# Altium PCB Zotino.PCBDOC (part 1 of 8) (continued)
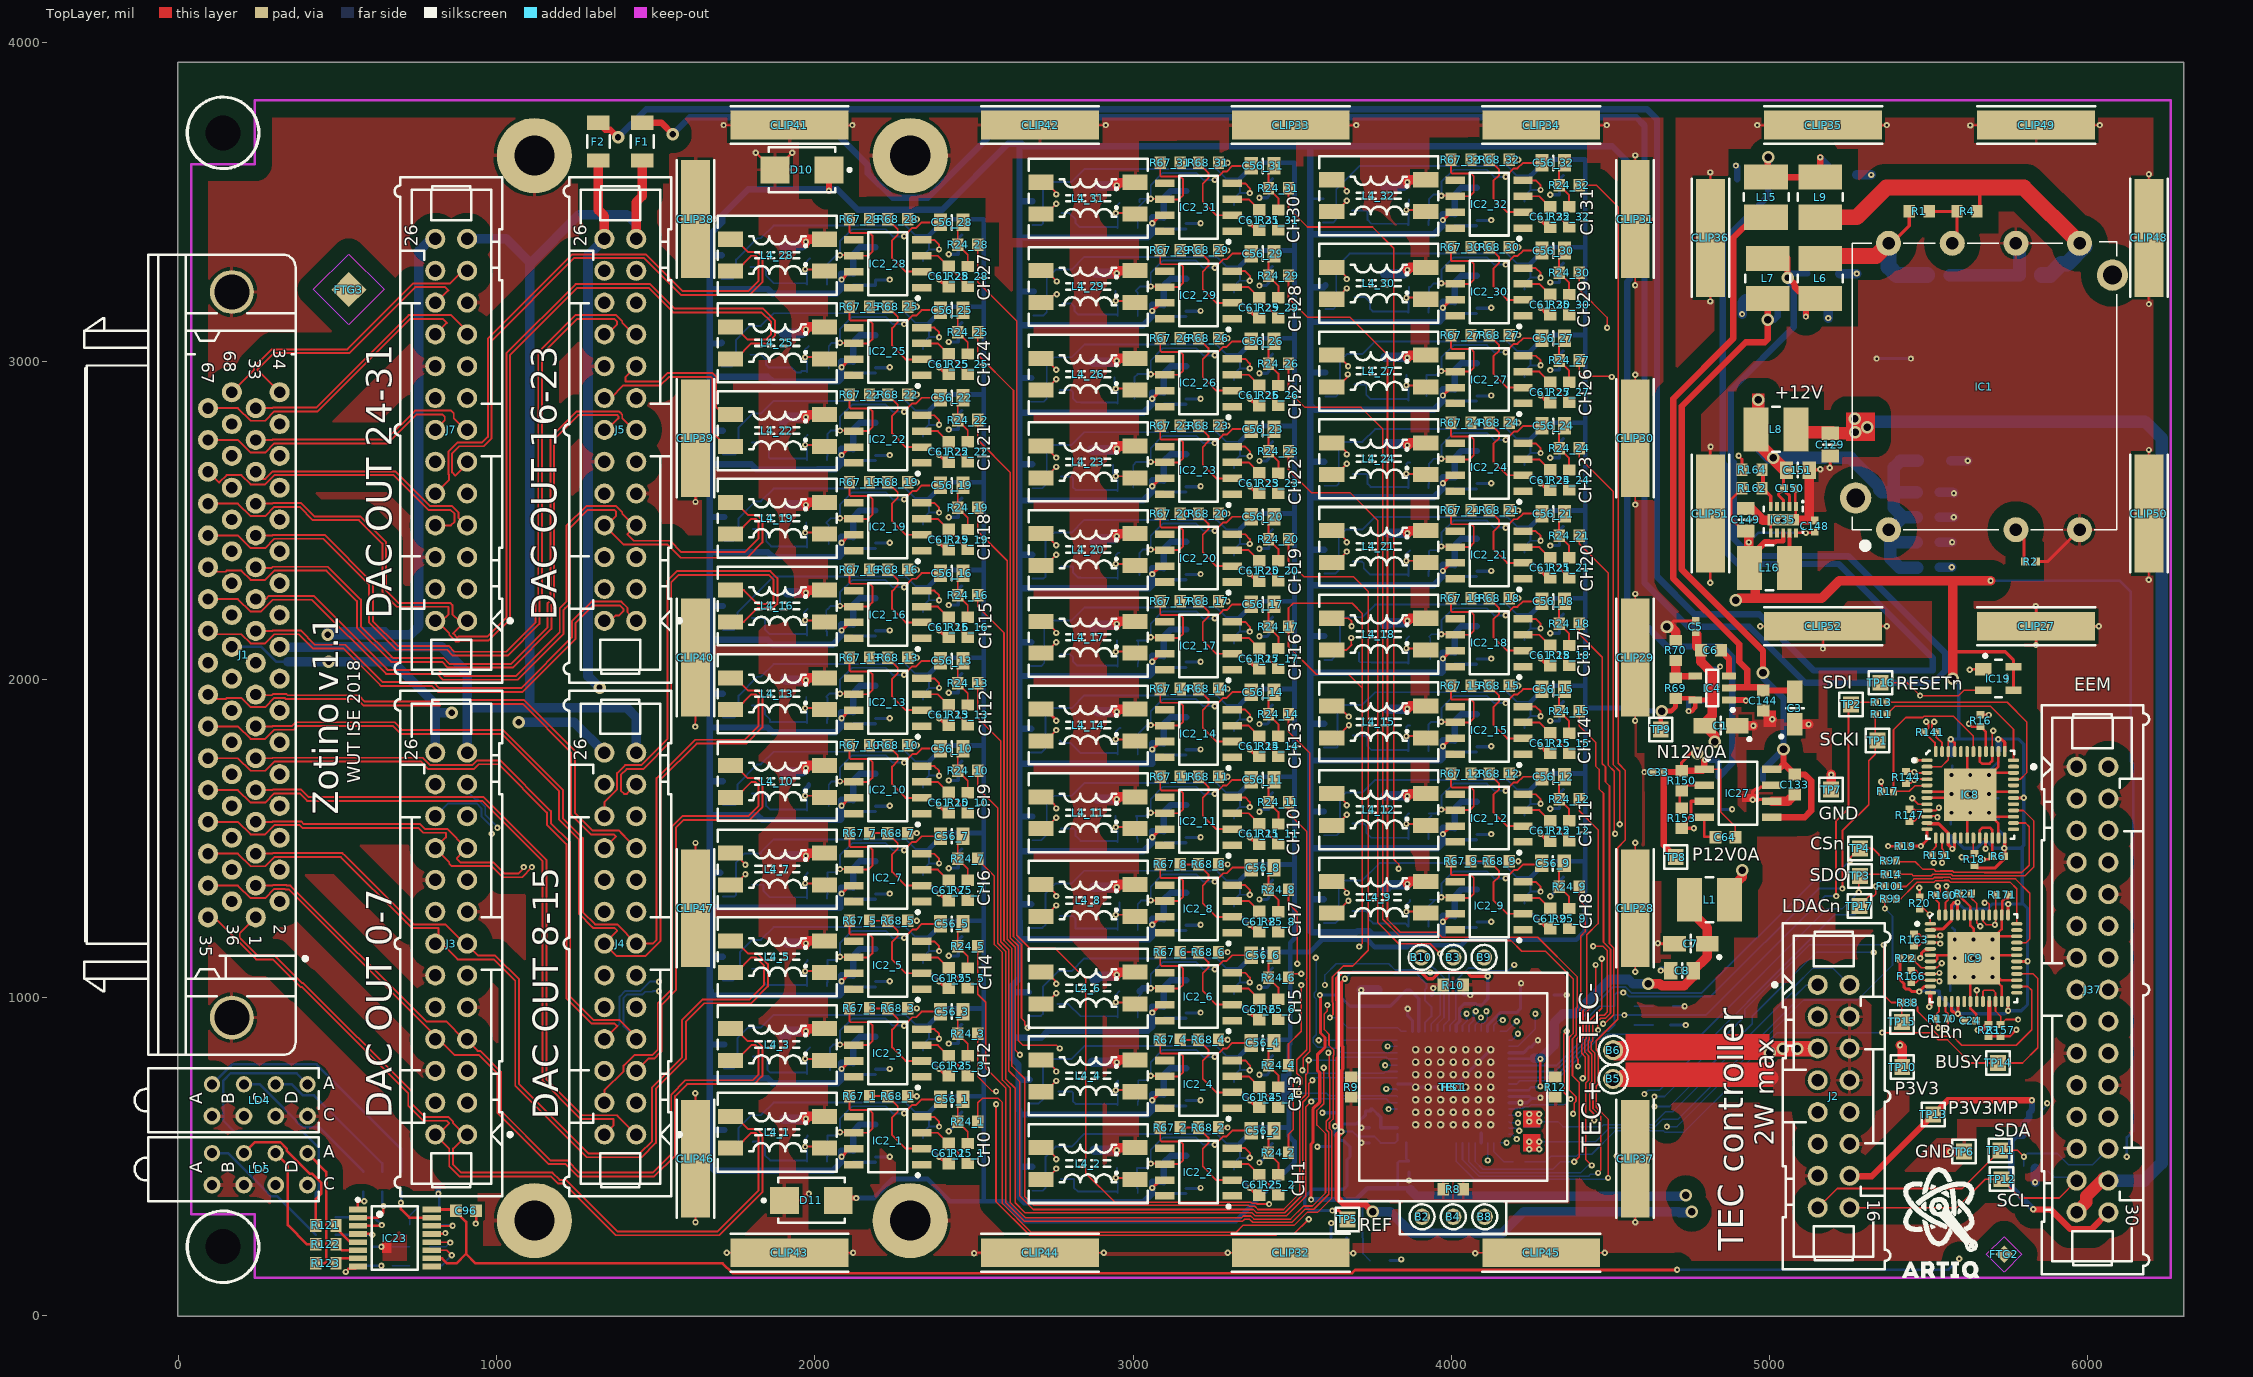
[diagram p0: TopLayer view]
## Design rules (kind name [scope] priority, off if disabled: settings) (continued)
RoomDefinition U_Output_channel32 [InComponentClass('U_Output_channel32')] p34 off: confinementstyle=ConfineIn formatcopy=TRUE lockcomponents=FALSE outline 3573.33,3384.1 4447.34,3384.1 4447.34,3659.69 3573.33,3659.69
RoomDefinition U_Output_channel21 [InComponentClass('U_Output_channel21')] p35 off: confinementstyle=ConfineIn formatcopy=TRUE lockcomponents=FALSE outline 3573.33,2281.74 4447.34,2281.74 4447.34,2557.33 3573.33,2557.33
RoomDefinition U_DAC_32CH [InComponentClass('U_DAC_32CH')] p36 off: confinementstyle=ConfineIn formatcopy=TRUE lockcomponents=FALSE outline 4434,1067 3657,1067 3657,326 4434,326
RoutingVias [All] p1: holewidth=7.87 width=19.68 viastyle="Through Hole" minholewidth=7.87 minwidth=19.68 maxholewidth=28 maxwidth=50
SilkToSilkClearance [All] p1: silktosilkclearance=0
SilkToSolderMaskClearance SilkscreenOverComponentPads [IsPad] p1: minsilkscreentomaskgap=0 clearancetoexposedcopper=TRUE
SolderMaskExpansion [All] p1: expansion=2
ViasUnderSMD [All] p1: allowed=FALSE
Width [All] p1: maxlimit=50 minlimit=5 preferedwidth=5
18 further rules are at their usual default settings.

## Classes and differential pairs
net class DAC_OUT_P[32..1]: DAC_OUT_P1 DAC_OUT_P2 DAC_OUT_P3 DAC_OUT_P4 DAC_OUT_P5 DAC_OUT_P6 DAC_OUT_P7 DAC_OUT_P8 DAC_OUT_P9 DAC_OUT_P10 DAC_OUT_P11 DAC_OUT_P12 DAC_OUT_P13 DAC_OUT_P14 DAC_OUT_P15 DAC_OUT_P16 DAC_OUT_P17 DAC_OUT_P18 DAC_OUT_P19 DAC_OUT_P20 DAC_OUT_P21 DAC_OUT_P22 DAC_OUT_P23 DAC_OUT_P24 DAC_OUT_P25 DAC_OUT_P26 DAC_OUT_P27 DAC_OUT_P28 DAC_OUT_P29 DAC_OUT_P30 DAC_OUT_P31 DAC_OUT_P32
net class DAC_OUT_N[31..1]: DAC_OUT_N1 DAC_OUT_N2 DAC_OUT_N3 DAC_OUT_N4 DAC_OUT_N5 DAC_OUT_N6 DAC_OUT_N7 DAC_OUT_N8 DAC_OUT_N9 DAC_OUT_N10 DAC_OUT_N11 DAC_OUT_N12 DAC_OUT_N13 DAC_OUT_N14 DAC_OUT_N15 DAC_OUT_N16 DAC_OUT_N17 DAC_OUT_N18 DAC_OUT_N19 DAC_OUT_N20 DAC_OUT_N21 DAC_OUT_N22 DAC_OUT_N23 DAC_OUT_N24 DAC_OUT_N25 DAC_OUT_N26 DAC_OUT_N27 DAC_OUT_N28 DAC_OUT_N29 DAC_OUT_N30 DAC_OUT_N31 DAC_OUT_N32
net class VOUT[32..1]: VOUT1 VOUT2 VOUT3 VOUT4 VOUT5 VOUT6 VOUT7 VOUT8 VOUT9 VOUT10 VOUT11 VOUT12 VOUT13 VOUT14 VOUT15 VOUT16 VOUT17 VOUT18 VOUT19 VOUT20 VOUT21 VOUT22 VOUT23 VOUT24 VOUT25 VOUT26 VOUT27 VOUT28 VOUT29 VOUT30 VOUT31 VOUT32
component class U_LVDS_IFC_DAC: C19 C20 C21 C22 C23 C24 C38 C69 C70 IC8 IC9 IC32 J37 R6 R11 R13 R14 R16 R17 R18 R19 R20 R21 R22 R23 R51 R88 R97 R99 R101 R141 R144 R147 R151 R157 R160 R163 R166 R170 R171 TP11 TP12 TP13 TP14
component class Zotino: B2 B3 B4 B5 B6 B8 B9 B10 B? C68 C71 C95 C96 CLIP27 CLIP28 CLIP29 CLIP30 CLIP31 CLIP32 CLIP33 CLIP34 CLIP35 CLIP36 CLIP37 CLIP38 CLIP39 CLIP40 CLIP41 CLIP42 CLIP43 CLIP44 CLIP45 CLIP46 CLIP47 CLIP48 CLIP49 CLIP50 CLIP51 CLIP52 FTG1 FTG2 FTG3 FTG4 HS1 IC19 IC23 J1 J2 J3 J4 J5 J7 LD1 LD4 LD5 R8 R9 R10 R12 R44 R45 R113 R114 R115 R116 R117 R118 R119 R120 R121 R122 R123 RT1 TEC1
component class U_DAC_32CH: C1 C7 C8 C9 C12 C13 C14 C31 C33 C47 C50 C53 C76 C77 C78 C79 C80 C81 C82 C83 IC3 IC18 L1 R3 R58 R82 TP1 TP2 TP3 TP4 TP5 TP15 TP16 TP17
component class U_Supply_DAC: C2 C3 C4 C5 C6 C10 C63 C64 C124 C129 C130 C131 C132 C133 C134 C136 C137 C138 C139 C140 C141 C142 C144 C147 C148 C149 C150 C151 D10 D11 F1 F2 IC1 IC4 IC27 IC35 L6 L7 L8 L9 L15 L16 R1 R2 R4 R69 R70 R150 R153 R162 R164 TP6 TP7 TP8 TP9 TP10
channel class Output_channel: U_Output_channel1 U_Output_channel2 U_Output_channel3 U_Output_channel4 U_Output_channel5 U_Output_channel6 U_Output_channel7 U_Output_channel8 U_Output_channel9 U_Output_channel10 U_Output_channel11 U_Output_channel12 U_Output_channel13 U_Output_channel14 U_Output_channel15 U_Output_channel16 U_Output_channel17 U_Output_channel18 U_Output_channel19 U_Output_channel20 U_Output_channel21 U_Output_channel22 U_Output_channel23 U_Output_channel24 U_Output_channel25 U_Output_channel26 U_Output_channel27 U_Output_channel28 U_Output_channel29 U_Output_channel30 U_Output_channel31 U_Output_channel32
component class U_Output_channel32: C56_32 C61_32 C62_32 C90_32 C91_32 C92_32 C93_32 D5_32 IC2_32 L4_32 R5_32 R7_32 R24_32 R25_32 R67_32 R68_32
component class U_Output_channel31: C56_31 C61_31 C62_31 C90_31 C91_31 C92_31 C93_31 D5_31 IC2_31 L4_31 R5_31 R7_31 R24_31 R25_31 R67_31 R68_31
component class U_Output_channel30: C56_30 C61_30 C62_30 C90_30 C91_30 C92_30 C93_30 D5_30 IC2_30 L4_30 R5_30 R7_30 R24_30 R25_30 R67_30 R68_30
component class U_Output_channel29: C56_29 C61_29 C62_29 C90_29 C91_29 C92_29 C93_29 D5_29 IC2_29 L4_29 R5_29 R7_29 R24_29 R25_29 R67_29 R68_29
component class U_Output_channel28: C56_28 C61_28 C62_28 C90_28 C91_28 C92_28 C93_28 D5_28 IC2_28 L4_28 R5_28 R7_28 R24_28 R25_28 R67_28 R68_28
component class U_Output_channel27: C56_27 C61_27 C62_27 C90_27 C91_27 C92_27 C93_27 D5_27 IC2_27 L4_27 R5_27 R7_27 R24_27 R25_27 R67_27 R68_27
component class U_Output_channel26: C56_26 C61_26 C62_26 C90_26 C91_26 C92_26 C93_26 D5_26 IC2_26 L4_26 R5_26 R7_26 R24_26 R25_26 R67_26 R68_26
component class U_Output_channel25: C56_25 C61_25 C62_25 C90_25 C91_25 C92_25 C93_25 D5_25 IC2_25 L4_25 R5_25 R7_25 R24_25 R25_25 R67_25 R68_25
component class U_Output_channel24: C56_24 C61_24 C62_24 C90_24 C91_24 C92_24 C93_24 D5_24 IC2_24 L4_24 R5_24 R7_24 R24_24 R25_24 R67_24 R68_24
component class U_Output_channel23: C56_23 C61_23 C62_23 C90_23 C91_23 C92_23 C93_23 D5_23 IC2_23 L4_23 R5_23 R7_23 R24_23 R25_23 R67_23 R68_23
component class U_Output_channel22: C56_22 C61_22 C62_22 C90_22 C91_22 C92_22 C93_22 D5_22 IC2_22 L4_22 R5_22 R7_22 R24_22 R25_22 R67_22 R68_22
component class U_Output_channel21: C56_21 C61_21 C62_21 C90_21 C91_21 C92_21 C93_21 D5_21 IC2_21 L4_21 R5_21 R7_21 R24_21 R25_21 R67_21 R68_21
component class U_Output_channel20: C56_20 C61_20 C62_20 C90_20 C91_20 C92_20 C93_20 D5_20 IC2_20 L4_20 R5_20 R7_20 R24_20 R25_20 R67_20 R68_20
component class U_Output_channel19: C56_19 C61_19 C62_19 C90_19 C91_19 C92_19 C93_19 D5_19 IC2_19 L4_19 R5_19 R7_19 R24_19 R25_19 R67_19 R68_19
component class U_Output_channel18: C56_18 C61_18 C62_18 C90_18 C91_18 C92_18 C93_18 D5_18 IC2_18 L4_18 R5_18 R7_18 R24_18 R25_18 R67_18 R68_18
component class U_Output_channel17: C56_17 C61_17 C62_17 C90_17 C91_17 C92_17 C93_17 D5_17 IC2_17 L4_17 R5_17 R7_17 R24_17 R25_17 R67_17 R68_17
component class U_Output_channel16: C56_16 C61_16 C62_16 C90_16 C91_16 C92_16 C93_16 D5_16 IC2_16 L4_16 R5_16 R7_16 R24_16 R25_16 R67_16 R68_16
component class U_Output_channel15: C56_15 C61_15 C62_15 C90_15 C91_15 C92_15 C93_15 D5_15 IC2_15 L4_15 R5_15 R7_15 R24_15 R25_15 R67_15 R68_15
component class U_Output_channel14: C56_14 C61_14 C62_14 C90_14 C91_14 C92_14 C93_14 D5_14 IC2_14 L4_14 R5_14 R7_14 R24_14 R25_14 R67_14 R68_14
component class U_Output_channel13: C56_13 C61_13 C62_13 C90_13 C91_13 C92_13 C93_13 D5_13 IC2_13 L4_13 R5_13 R7_13 R24_13 R25_13 R67_13 R68_13
component class U_Output_channel12: C56_12 C61_12 C62_12 C90_12 C91_12 C92_12 C93_12 D5_12 IC2_12 L4_12 R5_12 R7_12 R24_12 R25_12 R67_12 R68_12
component class U_Output_channel11: C56_11 C61_11 C62_11 C90_11 C91_11 C92_11 C93_11 D5_11 IC2_11 L4_11 R5_11 R7_11 R24_11 R25_11 R67_11 R68_11
component class U_Output_channel10: C56_10 C61_10 C62_10 C90_10 C91_10 C92_10 C93_10 D5_10 IC2_10 L4_10 R5_10 R7_10 R24_10 R25_10 R67_10 R68_10
component class U_Output_channel9: C56_9 C61_9 C62_9 C90_9 C91_9 C92_9 C93_9 D5_9 IC2_9 L4_9 R5_9 R7_9 R24_9 R25_9 R67_9 R68_9
component class U_Output_channel8: C56_8 C61_8 C62_8 C90_8 C91_8 C92_8 C93_8 D5_8 IC2_8 L4_8 R5_8 R7_8 R24_8 R25_8 R67_8 R68_8
component class U_Output_channel7: C56_7 C61_7 C62_7 C90_7 C91_7 C92_7 C93_7 D5_7 IC2_7 L4_7 R5_7 R7_7 R24_7 R25_7 R67_7 R68_7
component class U_Output_channel6: C56_6 C61_6 C62_6 C90_6 C91_6 C92_6 C93_6 D5_6 IC2_6 L4_6 R5_6 R7_6 R24_6 R25_6 R67_6 R68_6
component class U_Output_channel5: C56_5 C61_5 C62_5 C90_5 C91_5 C92_5 C93_5 D5_5 IC2_5 L4_5 R5_5 R7_5 R24_5 R25_5 R67_5 R68_5
component class U_Output_channel4: C56_4 C61_4 C62_4 C90_4 C91_4 C92_4 C93_4 D5_4 IC2_4 L4_4 R5_4 R7_4 R24_4 R25_4 R67_4 R68_4
component class U_Output_channel3: C56_3 C61_3 C62_3 C90_3 C91_3 C92_3 C93_3 D5_3 IC2_3 L4_3 R5_3 R7_3 R24_3 R25_3 R67_3 R68_3
component class U_Output_channel2: C56_2 C61_2 C62_2 C90_2 C91_2 C92_2 C93_2 D5_2 IC2_2 L4_2 R5_2 R7_2 R24_2 R25_2 R67_2 R68_2
component class U_Output_channel1: C56_1 C61_1 C62_1 C90_1 C91_1 C92_1 C93_1 D5_1 IC2_1 L4_1 R5_1 R7_1 R24_1 R25_1 R67_1 R68_1
differential pair LVDS8: +LVDS8_P -LVDS8_N
differential pair LVDS7: +LVDS7_P -LVDS7_N
differential pair LVDS6: +LVDS6_P -LVDS6_N
differential pair LVDS5: +LVDS5_P -LVDS5_N
differential pair LVDS4: +LVDS4_P -LVDS4_N
differential pair LVDS3: +LVDS3_P -LVDS3_N
differential pair LVDS2: +LVDS2_P -LVDS2_N
differential pair LVDS1: +LVDS1_P -LVDS1_N
differential pair DAC_OUT1: +DAC_OUT_P1 -DAC_OUT_N1
differential pair DAC_OUT2: +DAC_OUT_P2 -DAC_OUT_N2
differential pair DAC_OUT3: +DAC_OUT_P3 -DAC_OUT_N3
differential pair DAC_OUT4: +DAC_OUT_P4 -DAC_OUT_N4
differential pair DAC_OUT5: +DAC_OUT_P5 -DAC_OUT_N5
differential pair DAC_OUT6: +DAC_OUT_P6 -DAC_OUT_N6
differential pair DAC_OUT7: +DAC_OUT_P7 -DAC_OUT_N7
differential pair DAC_OUT8: +DAC_OUT_P8 -DAC_OUT_N8
differential pair DAC_OUT9: +DAC_OUT_P9 -DAC_OUT_N9
differential pair DAC_OUT10: +DAC_OUT_P10 -DAC_OUT_N10
differential pair DAC_OUT11: +DAC_OUT_P11 -DAC_OUT_N11
differential pair DAC_OUT12: +DAC_OUT_P12 -DAC_OUT_N12
differential pair DAC_OUT13: +DAC_OUT_P13 -DAC_OUT_N13
differential pair DAC_OUT14: +DAC_OUT_P14 -DAC_OUT_N14
differential pair DAC_OUT15: +DAC_OUT_P15 -DAC_OUT_N15
differential pair DAC_OUT16: +DAC_OUT_P16 -DAC_OUT_N16
differential pair DAC_OUT17: +DAC_OUT_P17 -DAC_OUT_N17
differential pair DAC_OUT18: +DAC_OUT_P18 -DAC_OUT_N18
differential pair DAC_OUT19: +DAC_OUT_P19 -DAC_OUT_N19
differential pair DAC_OUT20: +DAC_OUT_P20 -DAC_OUT_N20
differential pair DAC_OUT21: +DAC_OUT_P21 -DAC_OUT_N21
differential pair DAC_OUT22: +DAC_OUT_P22 -DAC_OUT_N22
differential pair DAC_OUT23: +DAC_OUT_P23 -DAC_OUT_N23
differential pair DAC_OUT24: +DAC_OUT_P24 -DAC_OUT_N24
differential pair DAC_OUT25: +DAC_OUT_P25 -DAC_OUT_N25
differential pair DAC_OUT26: +DAC_OUT_P26 -DAC_OUT_N26
differential pair DAC_OUT27: +DAC_OUT_P27 -DAC_OUT_N27
differential pair DAC_OUT28: +DAC_OUT_P28 -DAC_OUT_N28
differential pair DAC_OUT29: +DAC_OUT_P29 -DAC_OUT_N29
differential pair DAC_OUT30: +DAC_OUT_P30 -DAC_OUT_N30
differential pair DAC_OUT31: +DAC_OUT_P31 -DAC_OUT_N31
differential pair DAC_OUT32: +DAC_OUT_P32 -DAC_OUT_N32

## Components (designator, comment, footprint, x,y, rotation, side; value= is the part's Value field where it differs from the comment)
B2 "Plated Hole" c130h80 3907.48,311.02 r0 top locked
B3 "Plated Hole" c130h80 4005.38,1125.98 r0 top locked
B4 "Plated Hole" c130h80 4005.38,311.02 r0 top locked
B5 "Plated Hole" c160h110 4507.87,744.09 r0 top
B6 "Plated Hole" c160h110 4507.87,834.65 r0 top
B8 "Plated Hole" c130h80 4104.33,311.02 r180 top locked
B9 "Plated Hole" c130h80 4102.36,1125.98 r180 top locked
B10 "Plated Hole" c130h80 3905.51,1125.98 r0 top locked
C1 "10uF" CAPMP3216X180N 4846.46,1854.33 r180 top
C2 "10uF" CAPMP3216X180N 4940.94,3566.93 r0 bottom
C3 "10uF" CAPMP3216X180N 5078.74,1909.45 r90 top
C4 "100nF" CAPC1005X55N 3881.89,940.94 r0 bottom
C5 "100nF" CAPC1005X55N 4767.72,2165.35 r270 top
C6 "10nF" CAPC1608X87N 4814.96,2090.55 r0 top
C7 "10uF" CAPMP3216X180N 4751.97,1169.29 r180 top
C8 "22uF" CAPC2012X135N 4724.41,1084.65 r0 top
C9 "100nF" CAPC1005X55N 4035.43,994.09 r270 bottom
C10 "10uF" CAPMP3216X180N 5384.84,2956.69 r90 bottom
C12 "10uF" CAPMP3216X180N 4165.35,996.06 r0 bottom
C13 "100nF" CAPC1005X55N 4251.97,826.77 r270 bottom
C14 "10uF" CAPMP3216X180N 4322.83,956.69 r90 bottom
C19 "100nF" CAPC1005X55N 5735.15,1626.89 r0 bottom
C20 "100nF" CAPC1005X55N 5719.15,1543.89 r270 bottom
C21 "100nF" CAPC1005X55N 5719.15,1758.89 r90 bottom
C22 "100nF" CAPC1005X55N 5569.15,1526.89 r270 bottom
C23 "100nF" CAPC1005X55N 5573.15,1745.89 r90 bottom
C24 "100nF" CAPC1005X55N 5630.55,927.37 r180 top
C31 "100nF" CAPC1005X55N 3866.14,468.5 r90 bottom
C33 "100nF" CAPC1005X55N 4649.61,1708.66 r0 top
C38 "100nF" CAPC1005X55N 5833.51,624.39 r180 bottom
C47 "10uF" CAPMP3216X180N 3818.9,1023.62 r180 bottom
C50 "100nF" CAPC1005X55N 3937.01,988.19 r270 bottom
C53 "100nF" CAPC1005X55N 3759.84,543.31 r0 bottom
C56_1 "680pF" CAPC2012X135N 2430,680 r180 top (schematic designator C56)
C56_2 "680pF" CAPC2012X135N 3406.38,581.57 r180 top (schematic designator C56)
C56_3 "680pF" CAPC2012X135N 2430,955.59 r180 top (schematic designator C56)
C56_4 "680pF" CAPC2012X135N 3406.38,857.17 r180 top (schematic designator C56)
C56_5 "680pF" CAPC2012X135N 2430,1231.18 r180 top (schematic designator C56)
C56_6 "680pF" CAPC2012X135N 3406.38,1132.76 r180 top (schematic designator C56)
C56_7 "680pF" CAPC2012X135N 2430,1506.77 r180 top (schematic designator C56)
C56_8 "680pF" CAPC2012X135N 3406.38,1408.35 r180 top (schematic designator C56)
C56_9 "680pF" CAPC2012X135N 4318.9,1421.26 r180 top (schematic designator C56)
C56_10 "680pF" CAPC2012X135N 2430,1782.36 r180 top (schematic designator C56)
C56_11 "680pF" CAPC2012X135N 3406.38,1683.94 r180 top (schematic designator C56)
C56_12 "680pF" CAPC2012X135N 4319.76,1693.78 r180 top (schematic designator C56)
C56_13 "680pF" CAPC2012X135N 2430,2057.95 r180 top (schematic designator C56)
C56_14 "680pF" CAPC2012X135N 3406.38,1959.53 r180 top (schematic designator C56)
C56_15 "680pF" CAPC2012X135N 4319.76,1969.37 r180 top (schematic designator C56)
C56_16 "680pF" CAPC2012X135N 2430,2333.54 r180 top (schematic designator C56)
C56_17 "680pF" CAPC2012X135N 3406.38,2235.12 r180 top (schematic designator C56)
C56_18 "680pF" CAPC2012X135N 4319.76,2244.96 r180 top (schematic designator C56)
C56_19 "680pF" CAPC2012X135N 2430,2609.13 r180 top (schematic designator C56)
C56_20 "680pF" CAPC2012X135N 3406.38,2510.71 r180 top (schematic designator C56)
C56_21 "680pF" CAPC2012X135N 4319.76,2520.55 r180 top (schematic designator C56)
C56_22 "680pF" CAPC2012X135N 2430,2884.72 r180 top (schematic designator C56)
C56_23 "680pF" CAPC2012X135N 3406.38,2786.3 r180 top (schematic designator C56)
C56_24 "680pF" CAPC2012X135N 4319.76,2796.14 r180 top (schematic designator C56)
C56_25 "680pF" CAPC2012X135N 2430,3160.31 r180 top (schematic designator C56)
C56_26 "680pF" CAPC2012X135N 3406.38,3061.89 r180 top (schematic designator C56)
C56_27 "680pF" CAPC2012X135N 4319.76,3071.73 r180 top (schematic designator C56)
C56_28 "680pF" CAPC2012X135N 2430,3435.9 r180 top (schematic designator C56)
C56_29 "680pF" CAPC2012X135N 3406.38,3337.48 r180 top (schematic designator C56)
C56_30 "680pF" CAPC2012X135N 4319.76,3347.32 r180 top (schematic designator C56)
C56_31 "680pF" CAPC2012X135N 3406.38,3613.07 r180 top (schematic designator C56)
C56_32 "680pF" CAPC2012X135N 4319.76,3622.91 r180 top (schematic designator C56)
C61_1 "220pF" CAPC1608X87N 2420,510 r90 top (schematic designator C61)
C61_2 "220pF" CAPC1608X87N 3396.38,411.58 r90 top (schematic designator C61)
C61_3 "220pF" CAPC1608X87N 2420,785.59 r90 top (schematic designator C61)
C61_4 "220pF" CAPC1608X87N 3396.38,687.17 r90 top (schematic designator C61)
C61_5 "220pF" CAPC1608X87N 2420,1061.18 r90 top (schematic designator C61)
C61_6 "220pF" CAPC1608X87N 3396.38,962.76 r90 top (schematic designator C61)
C61_7 "220pF" CAPC1608X87N 2420,1336.77 r90 top (schematic designator C61)
C61_8 "220pF" CAPC1608X87N 3396.38,1238.35 r90 top (schematic designator C61)
C61_9 "220pF" CAPC1608X87N 4309.76,1248.19 r90 top (schematic designator C61)
C61_10 "220pF" CAPC1608X87N 2420,1612.36 r90 top (schematic designator C61)
C61_11 "220pF" CAPC1608X87N 3396.38,1513.94 r90 top (schematic designator C61)
C61_12 "220pF" CAPC1608X87N 4309.76,1523.78 r90 top (schematic designator C61)
C61_13 "220pF" CAPC1608X87N 2420,1887.95 r90 top (schematic designator C61)
C61_14 "220pF" CAPC1608X87N 3396.38,1789.53 r90 top (schematic designator C61)
C61_15 "220pF" CAPC1608X87N 4309.76,1799.37 r90 top (schematic designator C61)
C61_16 "220pF" CAPC1608X87N 2420,2163.54 r90 top (schematic designator C61)
C61_17 "220pF" CAPC1608X87N 3396.38,2065.12 r90 top (schematic designator C61)
C61_18 "220pF" CAPC1608X87N 4309.76,2074.96 r90 top (schematic designator C61)
C61_19 "220pF" CAPC1608X87N 2420,2439.13 r90 top (schematic designator C61)
C61_20 "220pF" CAPC1608X87N 3396.38,2340.71 r90 top (schematic designator C61)
C61_21 "220pF" CAPC1608X87N 4309.76,2350.55 r90 top (schematic designator C61)
C61_22 "220pF" CAPC1608X87N 2420,2714.72 r90 top (schematic designator C61)
C61_23 "220pF" CAPC1608X87N 3396.38,2616.3 r90 top (schematic designator C61)
C61_24 "220pF" CAPC1608X87N 4309.76,2626.14 r90 top (schematic designator C61)
C61_25 "220pF" CAPC1608X87N 2420,2990.31 r90 top (schematic designator C61)
C61_26 "220pF" CAPC1608X87N 3396.38,2891.89 r90 top (schematic designator C61)
C61_27 "220pF" CAPC1608X87N 4309.76,2901.73 r90 top (schematic designator C61)
C61_28 "220pF" CAPC1608X87N 2420,3265.91 r90 top (schematic designator C61)
C61_29 "220pF" CAPC1608X87N 3396.38,3167.48 r90 top (schematic designator C61)
C61_30 "220pF" CAPC1608X87N 4309.76,3177.32 r90 top (schematic designator C61)
C61_31 "220pF" CAPC1608X87N 3396.38,3443.07 r90 top (schematic designator C61)
C61_32 "220pF" CAPC1608X87N 4309.76,3452.91 r90 top (schematic designator C61)
C62_1 "2.2nF" CAPC3216X140N 1901.57,559.06 r270 bottom (schematic designator C62)
C62_2 "2.2nF" CAPC3216X140N 2877.95,460.63 r270 bottom (schematic designator C62)
C62_3 "2.2nF" CAPC3216X140N 1913.39,834.65 r270 bottom (schematic designator C62)
C62_4 "2.2nF" CAPC3216X140N 2872.05,738.19 r270 bottom (schematic designator C62)
C62_5 "2.2nF" CAPC3216X140N 1905.51,1110.24 r270 bottom (schematic designator C62)
C62_6 "2.2nF" CAPC3216X140N 2885.83,1007.87 r270 bottom (schematic designator C62)
C62_7 "2.2nF" CAPC3216X140N 1901.57,1385.83 r270 bottom (schematic designator C62)
C62_8 "2.2nF" CAPC3216X140N 2876.35,1287.4 r270 bottom (schematic designator C62)
C62_9 "2.2nF" CAPC3216X140N 3798.84,1295.28 r270 bottom (schematic designator C62)
C62_10 "2.2nF" CAPC3216X140N 1909.45,1657.48 r270 bottom (schematic designator C62)
C62_11 "2.2nF" CAPC3216X140N 2883.86,1564.96 r270 bottom (schematic designator C62)
C62_12 "2.2nF" CAPC3216X140N 3791.34,1574.8 r270 bottom (schematic designator C62)
C62_13 "2.2nF" CAPC3216X140N 1905.51,1940.94 r270 bottom (schematic designator C62)
C62_14 "2.2nF" CAPC3216X140N 2889.76,1838.58 r270 bottom (schematic designator C62)
C62_15 "2.2nF" CAPC3216X140N 3799.21,1846.46 r270 bottom (schematic designator C62)
C62_16 "2.2nF" CAPC3216X140N 1905.51,2212.6 r270 bottom (schematic designator C62)
C62_17 "2.2nF" CAPC3216X140N 2877.95,2110.24 r270 bottom (schematic designator C62)
C62_18 "2.2nF" CAPC3216X140N 3798.84,2118.11 r270 bottom (schematic designator C62)
C62_19 "2.2nF" CAPC3216X140N 1905.51,2488.19 r270 bottom (schematic designator C62)
C62_20 "2.2nF" CAPC3216X140N 2881.89,2382.93 r270 bottom (schematic designator C62)
C62_21 "2.2nF" CAPC3216X140N 3798.84,2397.64 r270 bottom (schematic designator C62)
C62_22 "2.2nF" CAPC3216X140N 1905.51,2755.91 r270 bottom (schematic designator C62)
C62_23 "2.2nF" CAPC3216X140N 2870.08,2661.42 r270 bottom (schematic designator C62)
C62_24 "2.2nF" CAPC3216X140N 3798.84,2681.1 r270 bottom (schematic designator C62)
C62_25 "2.2nF" CAPC3216X140N 1909.45,3039.37 r270 bottom (schematic designator C62)
C62_26 "2.2nF" CAPC3216X140N 2874.02,2937.01 r270 bottom (schematic designator C62)
C62_27 "2.2nF" CAPC3216X140N 3791.34,2952.76 r270 bottom (schematic designator C62)
C62_28 "2.2nF" CAPC3216X140N 1913.39,3314.96 r270 bottom (schematic designator C62)
C62_29 "2.2nF" CAPC3216X140N 2881.89,3216.54 r270 bottom (schematic designator C62)
C62_30 "2.2nF" CAPC3216X140N 3803.15,3225.41 r270 bottom (schematic designator C62)
C62_31 "2.2nF" CAPC3216X140N 2893.7,3492.13 r270 bottom (schematic designator C62)
C62_32 "2.2nF" CAPC3216X140N 3795.28,3500 r270 bottom (schematic designator C62)
C63 "1uF" CAPC1608X87N 4978.84,1654.77 r90 bottom
C64 "10nF" CAPC1608X87N 4860.73,1504.18 r0 top
C68 "82pF" CAPC1608X87N 4665.35,972.57 r180 bottom
C69 "100nF" CAPC1005X55N 5550.15,1020.89 r180 bottom
C70 "100nF" CAPC1005X55N 5574.15,1236.89 r90 bottom
C71 "82pF" CAPC1608X87N 639.76,216.54 r0 bottom
C76 "82pF" CAPC1608X87N 639.76,157.48 r0 bottom
C77 "82pF" CAPC1608X87N 787.4,344.49 r180 bottom
C78 "100nF" CAPC1005X55N 3759.84,590.55 r0 bottom
C79 "10uF" CAPMP3216X180N 3700.79,649.61 r180 bottom
C80 "2.2uF" CAPC1608X87N 3775.59,173.23 r180 bottom
C81 "2.2uF" CAPC1608X87N 3649.61,531.5 r0 bottom
C82 "1uF" CAPC1608X87N 3622.05,173.23 r0 bottom
C83 "100nF" CAPC1005X55N 4251.97,700.79 r90 bottom
C90_1 "10uF" CAPMP3216X180N 2190,550 r270 bottom (schematic designator C90)
C90_2 "10uF" CAPMP3216X180N 3166.38,451.57 r270 bottom (schematic designator C90)
C90_3 "10uF" CAPMP3216X180N 2190,825.59 r270 bottom (schematic designator C90)
C90_4 "10uF" CAPMP3216X180N 3166.38,727.17 r270 bottom (schematic designator C90)
C90_5 "10uF" CAPMP3216X180N 2190,1101.18 r270 bottom (schematic designator C90)
C90_6 "10uF" CAPMP3216X180N 3166.38,1002.76 r270 bottom (schematic designator C90)
C90_7 "10uF" CAPMP3216X180N 2190,1376.77 r270 bottom (schematic designator C90)
C90_8 "10uF" CAPMP3216X180N 3166.38,1278.35 r270 bottom (schematic designator C90)
C90_9 "10uF" CAPMP3216X180N 4079.76,1288.19 r270 bottom (schematic designator C90)
C90_10 "10uF" CAPMP3216X180N 2190,1652.36 r270 bottom (schematic designator C90)
C90_11 "10uF" CAPMP3216X180N 3166.38,1553.94 r270 bottom (schematic designator C90)
C90_12 "10uF" CAPMP3216X180N 4079.76,1563.78 r270 bottom (schematic designator C90)
C90_13 "10uF" CAPMP3216X180N 2190,1927.95 r270 bottom (schematic designator C90)
C90_14 "10uF" CAPMP3216X180N 3166.38,1829.53 r270 bottom (schematic designator C90)
C90_15 "10uF" CAPMP3216X180N 4079.76,1839.37 r270 bottom (schematic designator C90)
C90_16 "10uF" CAPMP3216X180N 2190,2203.54 r270 bottom (schematic designator C90)
C90_17 "10uF" CAPMP3216X180N 3166.38,2105.12 r270 bottom (schematic designator C90)
C90_18 "10uF" CAPMP3216X180N 4079.76,2114.96 r270 bottom (schematic designator C90)
C90_19 "10uF" CAPMP3216X180N 2190,2479.13 r270 bottom (schematic designator C90)
C90_20 "10uF" CAPMP3216X180N 3166.38,2380.71 r270 bottom (schematic designator C90)
C90_21 "10uF" CAPMP3216X180N 4079.76,2390.55 r270 bottom (schematic designator C90)
C90_22 "10uF" CAPMP3216X180N 2190,2754.72 r270 bottom (schematic designator C90)
C90_23 "10uF" CAPMP3216X180N 3166.38,2656.3 r270 bottom (schematic designator C90)
C90_24 "10uF" CAPMP3216X180N 4079.76,2666.14 r270 bottom (schematic designator C90)
C90_25 "10uF" CAPMP3216X180N 2190,3030.32 r270 bottom (schematic designator C90)
C90_26 "10uF" CAPMP3216X180N 3166.38,2931.89 r270 bottom (schematic designator C90)
C90_27 "10uF" CAPMP3216X180N 4079.76,2941.73 r270 bottom (schematic designator C90)
C90_28 "10uF" CAPMP3216X180N 2190,3305.91 r270 bottom (schematic designator C90)
C90_29 "10uF" CAPMP3216X180N 3166.38,3207.48 r270 bottom (schematic designator C90)
C90_30 "10uF" CAPMP3216X180N 4079.76,3217.32 r270 bottom (schematic designator C90)
C90_31 "10uF" CAPMP3216X180N 3166.38,3483.07 r270 bottom (schematic designator C90)
C90_32 "10uF" CAPMP3216X180N 4079.76,3492.91 r270 bottom (schematic designator C90)
C91_1 "100nF" CAPC1005X55N 2120,500 r90 bottom (schematic designator C91)
C91_2 "100nF" CAPC1005X55N 3096.38,401.57 r90 bottom (schematic designator C91)
C91_3 "100nF" CAPC1005X55N 2120,775.59 r90 bottom (schematic designator C91)
C91_4 "100nF" CAPC1005X55N 3096.38,677.17 r90 bottom (schematic designator C91)
C91_5 "100nF" CAPC1005X55N 2120,1051.18 r90 bottom (schematic designator C91)
C91_6 "100nF" CAPC1005X55N 3096.38,952.76 r90 bottom (schematic designator C91)
C91_7 "100nF" CAPC1005X55N 2120,1326.77 r90 bottom (schematic designator C91)
C91_8 "100nF" CAPC1005X55N 3096.38,1228.35 r90 bottom (schematic designator C91)
C91_9 "100nF" CAPC1005X55N 4009.76,1238.19 r90 bottom (schematic designator C91)
C91_10 "100nF" CAPC1005X55N 2120,1602.36 r90 bottom (schematic designator C91)
C91_11 "100nF" CAPC1005X55N 3096.38,1503.94 r90 bottom (schematic designator C91)
C91_12 "100nF" CAPC1005X55N 4009.76,1513.78 r90 bottom (schematic designator C91)
C91_13 "100nF" CAPC1005X55N 2120,1877.95 r90 bottom (schematic designator C91)
C91_14 "100nF" CAPC1005X55N 3096.38,1779.53 r90 bottom (schematic designator C91)
C91_15 "100nF" CAPC1005X55N 4009.76,1789.37 r90 bottom (schematic designator C91)
C91_16 "100nF" CAPC1005X55N 2120,2153.54 r90 bottom (schematic designator C91)
C91_17 "100nF" CAPC1005X55N 3096.38,2055.12 r90 bottom (schematic designator C91)
C91_18 "100nF" CAPC1005X55N 4009.76,2064.96 r90 bottom (schematic designator C91)
C91_19 "100nF" CAPC1005X55N 2120,2429.13 r90 bottom (schematic designator C91)
C91_20 "100nF" CAPC1005X55N 3096.38,2330.71 r90 bottom (schematic designator C91)
C91_21 "100nF" CAPC1005X55N 4009.76,2340.55 r90 bottom (schematic designator C91)
C91_22 "100nF" CAPC1005X55N 2120,2704.72 r90 bottom (schematic designator C91)
C91_23 "100nF" CAPC1005X55N 3096.38,2606.3 r90 bottom (schematic designator C91)
C91_24 "100nF" CAPC1005X55N 4009.76,2616.14 r90 bottom (schematic designator C91)
C91_25 "100nF" CAPC1005X55N 2120,2980.32 r90 bottom (schematic designator C91)
C91_26 "100nF" CAPC1005X55N 3096.38,2881.89 r90 bottom (schematic designator C91)
C91_27 "100nF" CAPC1005X55N 4009.76,2891.73 r90 bottom (schematic designator C91)
C91_28 "100nF" CAPC1005X55N 2120,3255.91 r90 bottom (schematic designator C91)
C91_29 "100nF" CAPC1005X55N 3096.38,3157.48 r90 bottom (schematic designator C91)
C91_30 "100nF" CAPC1005X55N 4009.76,3167.32 r90 bottom (schematic designator C91)
C91_31 "100nF" CAPC1005X55N 3096.38,3433.07 r90 bottom (schematic designator C91)
C91_32 "100nF" CAPC1005X55N 4009.76,3442.91 r90 bottom (schematic designator C91)
C92_1 "100nF" CAPC1005X55N 2340,540 r90 bottom (schematic designator C92)
C92_2 "100nF" CAPC1005X55N 3316.38,441.57 r90 bottom (schematic designator C92)
C92_3 "100nF" CAPC1005X55N 2340,815.59 r90 bottom (schematic designator C92)
C92_4 "100nF" CAPC1005X55N 3316.38,717.17 r90 bottom (schematic designator C92)
C92_5 "100nF" CAPC1005X55N 2340,1091.18 r90 bottom (schematic designator C92)
C92_6 "100nF" CAPC1005X55N 3316.38,992.76 r90 bottom (schematic designator C92)
C92_7 "100nF" CAPC1005X55N 2340,1366.77 r90 bottom (schematic designator C92)
C92_8 "100nF" CAPC1005X55N 3316.38,1268.35 r90 bottom (schematic designator C92)
C92_9 "100nF" CAPC1005X55N 4229.77,1278.19 r90 bottom (schematic designator C92)
C92_10 "100nF" CAPC1005X55N 2340,1642.36 r90 bottom (schematic designator C92)
C92_11 "100nF" CAPC1005X55N 3316.38,1543.94 r90 bottom (schematic designator C92)
C92_12 "100nF" CAPC1005X55N 4229.76,1553.78 r90 bottom (schematic designator C92)
C92_13 "100nF" CAPC1005X55N 2340,1917.95 r90 bottom (schematic designator C92)
C92_14 "100nF" CAPC1005X55N 3316.38,1819.53 r90 bottom (schematic designator C92)
C92_15 "100nF" CAPC1005X55N 4229.76,1829.37 r90 bottom (schematic designator C92)
C92_16 "100nF" CAPC1005X55N 2340,2193.54 r90 bottom (schematic designator C92)
C92_17 "100nF" CAPC1005X55N 3316.38,2095.12 r90 bottom (schematic designator C92)
C92_18 "100nF" CAPC1005X55N 4229.76,2104.96 r90 bottom (schematic designator C92)
C92_19 "100nF" CAPC1005X55N 2340,2469.13 r90 bottom (schematic designator C92)
C92_20 "100nF" CAPC1005X55N 3316.38,2370.71 r90 bottom (schematic designator C92)
C92_21 "100nF" CAPC1005X55N 4229.76,2380.55 r90 bottom (schematic designator C92)
C92_22 "100nF" CAPC1005X55N 2340,2744.72 r90 bottom (schematic designator C92)
C92_23 "100nF" CAPC1005X55N 3316.38,2646.3 r90 bottom (schematic designator C92)
C92_24 "100nF" CAPC1005X55N 4229.76,2656.14 r90 bottom (schematic designator C92)
C92_25 "100nF" CAPC1005X55N 2340,3020.32 r90 bottom (schematic designator C92)
C92_26 "100nF" CAPC1005X55N 3316.38,2921.89 r90 bottom (schematic designator C92)
C92_27 "100nF" CAPC1005X55N 4229.76,2931.73 r90 bottom (schematic designator C92)
C92_28 "100nF" CAPC1005X55N 2340,3295.91 r90 bottom (schematic designator C92)
C92_29 "100nF" CAPC1005X55N 3316.38,3197.48 r90 bottom (schematic designator C92)
C92_30 "100nF" CAPC1005X55N 4229.77,3207.32 r90 bottom (schematic designator C92)
C92_31 "100nF" CAPC1005X55N 3316.38,3473.07 r90 bottom (schematic designator C92)
C92_32 "100nF" CAPC1005X55N 4229.76,3482.91 r90 bottom (schematic designator C92)
C93_1 "10uF" CAPMP3216X180N 2410,640 r180 bottom (schematic designator C93)
C93_2 "10uF" CAPMP3216X180N 3386.38,541.57 r180 bottom (schematic designator C93)
C93_3 "10uF" CAPMP3216X180N 2410,915.59 r180 bottom (schematic designator C93)
C93_4 "10uF" CAPMP3216X180N 3386.38,817.17 r180 bottom (schematic designator C93)
C93_5 "10uF" CAPMP3216X180N 2410,1191.18 r180 bottom (schematic designator C93)
C93_6 "10uF" CAPMP3216X180N 3386.38,1092.76 r180 bottom (schematic designator C93)
C93_7 "10uF" CAPMP3216X180N 2410,1466.77 r180 bottom (schematic designator C93)
C93_8 "10uF" CAPMP3216X180N 3386.38,1368.35 r180 bottom (schematic designator C93)
C93_9 "10uF" CAPMP3216X180N 4299.76,1378.19 r180 bottom (schematic designator C93)
C93_10 "10uF" CAPMP3216X180N 2410,1742.36 r180 bottom (schematic designator C93)
C93_11 "10uF" CAPMP3216X180N 3386.38,1643.94 r180 bottom (schematic designator C93)
C93_12 "10uF" CAPMP3216X180N 4299.76,1653.78 r180 bottom (schematic designator C93)
C93_13 "10uF" CAPMP3216X180N 2410,2017.95 r180 bottom (schematic designator C93)
C93_14 "10uF" CAPMP3216X180N 3386.38,1919.53 r180 bottom (schematic designator C93)
C93_15 "10uF" CAPMP3216X180N 4299.76,1929.37 r180 bottom (schematic designator C93)
C93_16 "10uF" CAPMP3216X180N 2410,2293.54 r180 bottom (schematic designator C93)
C93_17 "10uF" CAPMP3216X180N 3386.38,2195.12 r180 bottom (schematic designator C93)
C93_18 "10uF" CAPMP3216X180N 4299.76,2204.96 r180 bottom (schematic designator C93)
C93_19 "10uF" CAPMP3216X180N 2410,2569.13 r180 bottom (schematic designator C93)
C93_20 "10uF" CAPMP3216X180N 3386.38,2470.71 r180 bottom (schematic designator C93)
C93_21 "10uF" CAPMP3216X180N 4299.76,2480.55 r180 bottom (schematic designator C93)
C93_22 "10uF" CAPMP3216X180N 2410,2844.72 r180 bottom (schematic designator C93)
C93_23 "10uF" CAPMP3216X180N 3386.38,2746.3 r180 bottom (schematic designator C93)
C93_24 "10uF" CAPMP3216X180N 4299.76,2756.14 r180 bottom (schematic designator C93)
C93_25 "10uF" CAPMP3216X180N 2410,3120.32 r180 bottom (schematic designator C93)
C93_26 "10uF" CAPMP3216X180N 3386.38,3021.89 r180 bottom (schematic designator C93)
C93_27 "10uF" CAPMP3216X180N 4299.76,3031.73 r180 bottom (schematic designator C93)
C93_28 "10uF" CAPMP3216X180N 2410,3395.91 r180 bottom (schematic designator C93)
C93_29 "10uF" CAPMP3216X180N 3386.38,3297.48 r180 bottom (schematic designator C93)
C93_30 "10uF" CAPMP3216X180N 4299.76,3307.32 r180 bottom (schematic designator C93)
C93_31 "10uF" CAPMP3216X180N 3386.38,3573.07 r180 bottom (schematic designator C93)
C93_32 "10uF" CAPMP3216X180N 4299.76,3582.91 r180 bottom (schematic designator C93)
C95 "82pF" CAPC1608X87N 4665.35,913.39 r180 bottom
C96 "1uF" CAPC1608X87N 903.84,329.89 r180 top
C124 "10uF" CAPMP3216X180N 4839.08,1641.98 r270 bottom
C129 "22uF" CAPC2012X135N 5190.45,2737.45 r90 top
C130 "22uF" CAPC2012X135N 5530,3270 r180 bottom
C131 "22uF" CAPC2012X135N 5148.84,3189.89 r180 bottom
C132 "10uF" CAPMP3216X180N 5168.84,3274.89 r0 bottom
C133 "1uF" CAPC1608X87N 5078.74,1669.29 r90 top
C134 "10uF" CAPMP3216X180N 4973.84,3194.89 r180 bottom
C136 "10uF" CAPMP3216X180N 5516.94,2686.65 r0 bottom
C137 "22uF" CAPC2012X135N 5497.26,2352.01 r180 bottom
C138 "22uF" CAPC2012X135N 5497.26,2588.23 r180 bottom
C139 "22uF" CAPC2012X135N 5497.26,2509.49 r180 bottom
C140 "22uF" CAPC2012X135N 5497.26,2430.75 r180 bottom
C141 "22uF" CAPC2012X135N 5820,3270 r0 bottom
C142 "22uF" CAPC2012X135N 5238.84,3584.89 r180 bottom
C144 "1uF" CAPC1608X87N 4980.32,1933.07 r90 top
C147 "10uF" CAPMP3216X180N 4790.3,1982.05 r270 bottom
C148 "100nF" CAPC1005X55N 5141.24,2481.54 r270 top
C149 "22uF" CAPC2012X135N 4924.71,2501.23 r270 top
C150 "100nF" CAPC1005X55N 5062.5,2599.65 r180 top
C151 "22uF" CAPC2012X135N 5088.58,2657.48 r180 top
CLIP27 "S1411-46R" CLIP_HOLLAND-SHIELDING_LC 5837.11,2166.58 r0 top
CLIP28 "S1411-46R" CLIP_HOLLAND-SHIELDING_LC 4577.27,1280.76 r90 top
CLIP29 "S1411-46R" CLIP_HOLLAND-SHIELDING_LC 4577.27,2068.16 r90 top
CLIP30 "S1411-46R" CLIP_HOLLAND-SHIELDING_LC 4577.27,2757.13 r90 top
CLIP31 "S1411-46R" CLIP_HOLLAND-SHIELDING_LC 4577.27,3446.11 r90 top
CLIP32 "S1411-46R" CLIP_HOLLAND-SHIELDING_LC 3494.59,198.08 r180 top
CLIP33 "S1411-46R" CLIP_HOLLAND-SHIELDING_LC 3494.59,3741.39 r180 top
CLIP34 "S1411-46R" CLIP_HOLLAND-SHIELDING_LC 4281.99,3741.39 r180 top
CLIP35 "S1411-46R" CLIP_HOLLAND-SHIELDING_LC 5167.82,3741.39 r180 top
CLIP36 "S1411-46R" CLIP_HOLLAND-SHIELDING_LC 4813.49,3387.05 r90 top
CLIP37 "S1411-46R" CLIP_HOLLAND-SHIELDING_LC 4577.27,493.35 r90 top
CLIP38 "S1411-46R" CLIP_HOLLAND-SHIELDING_LC 1624.51,3446.11 r90 top
CLIP39 "S1411-46R" CLIP_HOLLAND-SHIELDING_LC 1624.51,2757.13 r90 top
CLIP40 "S1411-46R" CLIP_HOLLAND-SHIELDING_LC 1624.51,2068.16 r90 top
CLIP41 "S1411-46R" CLIP_HOLLAND-SHIELDING_LC 1919.78,3741.39 r180 top
CLIP42 "S1411-46R" CLIP_HOLLAND-SHIELDING_LC 2707.19,3741.39 r180 top
CLIP43 "S1411-46R" CLIP_HOLLAND-SHIELDING_LC 1919.78,198.08 r180 top
CLIP44 "S1411-46R" CLIP_HOLLAND-SHIELDING_LC 2707.19,198.08 r180 top
CLIP45 "S1411-46R" CLIP_HOLLAND-SHIELDING_LC 4281.99,198.08 r180 top
CLIP46 "S1411-46R" CLIP_HOLLAND-SHIELDING_LC 1624.51,493.35 r90 top
CLIP47 "S1411-46R" CLIP_HOLLAND-SHIELDING_LC 1624.51,1280.76 r90 top
CLIP48 "S1411-46R" CLIP_HOLLAND-SHIELDING_LC 6191.44,3387.05 r270 top
CLIP49 "S1411-46R" CLIP_HOLLAND-SHIELDING_LC 5837.11,3741.39 r180 top
CLIP50 "S1411-46R" CLIP_HOLLAND-SHIELDING_LC 6191.44,2520.91 r270 top
CLIP51 "S1411-46R" CLIP_HOLLAND-SHIELDING_LC 4813.49,2520.91 r270 top
CLIP52 "S1411-46R" CLIP_HOLLAND-SHIELDING_LC 5167.82,2166.58 r0 top
D5_1 "BAV199" SOT95P240X110-3N 1759.84,546.51 r0 bottom (schematic designator D5)
D5_2 "BAV199" SOT95P240X110-3N 2728.35,430.35 r0 bottom (schematic designator D5)
D5_3 "BAV199" SOT95P240X110-3N 1759.84,814.96 r0 bottom (schematic designator D5)
D5_4 "BAV199" SOT95P240X110-3N 2720.47,704.72 r0 bottom (schematic designator D5)
D5_5 "BAV199" SOT95P240X110-3N 1755.91,1090.55 r0 bottom (schematic designator D5)
D5_6 "BAV199" SOT95P240X110-3N 2717.15,979.56 r0 bottom (schematic designator D5)
D5_7 "BAV199" SOT95P240X110-3N 1755.91,1354.33 r0 bottom (schematic designator D5)
D5_8 "BAV199" SOT95P240X110-3N 2724.6,1255.91 r0 bottom (schematic designator D5)
D5_9 "BAV199" SOT95P240X110-3N 3643.9,1271.65 r0 bottom (schematic designator D5)
D5_10 "BAV199" SOT95P240X110-3N 1755.91,1641.73 r0 bottom (schematic designator D5)
D5_11 "BAV199" SOT95P240X110-3N 2728.35,1531.5 r0 bottom (schematic designator D5)
D5_12 "BAV199" SOT95P240X110-3N 3641.73,1545.08 r0 bottom (schematic designator D5)
D5_13 "BAV199" SOT95P240X110-3N 1755.91,1917.32 r0 bottom (schematic designator D5)
D5_14 "BAV199" SOT95P240X110-3N 2724.6,1807.09 r0 bottom (schematic designator D5)
D5_15 "BAV199" SOT95P240X110-3N 3644.93,1822.83 r0 bottom (schematic designator D5)
D5_16 "BAV199" SOT95P240X110-3N 1755.91,2192.91 r0 bottom (schematic designator D5)
D5_17 "BAV199" SOT95P240X110-3N 2724.41,2078.74 r0 bottom (schematic designator D5)
D5_18 "BAV199" SOT95P240X110-3N 3645.67,2098.43 r0 bottom (schematic designator D5)
D5_19 "BAV199" SOT95P240X110-3N 1759.84,2472.44 r0 bottom (schematic designator D5)
D5_20 "BAV199" SOT95P240X110-3N 2728.35,2354.33 r0 bottom (schematic designator D5)
D5_21 "BAV199" SOT95P240X110-3N 3645.67,2370.08 r0 bottom (schematic designator D5)
D5_22 "BAV199" SOT95P240X110-3N 1755.91,2744.09 r0 bottom (schematic designator D5)
D5_23 "BAV199" SOT95P240X110-3N 2728.35,2637.8 r0 bottom (schematic designator D5)
D5_24 "BAV199" SOT95P240X110-3N 3645.67,2645.67 r0 bottom (schematic designator D5)
D5_25 "BAV199" SOT95P240X110-3N 1751.97,3019.68 r0 bottom (schematic designator D5)
D5_26 "BAV199" SOT95P240X110-3N 2724.41,2909.45 r0 bottom (schematic designator D5)
D5_27 "BAV199" SOT95P240X110-3N 3649.61,2926.61 r0 bottom (schematic designator D5)
D5_28 "BAV199" SOT95P240X110-3N 1751.97,3295.28 r0 bottom (schematic designator D5)
D5_29 "BAV199" SOT95P240X110-3N 2732.28,3181.1 r0 bottom (schematic designator D5)
D5_30 "BAV199" SOT95P240X110-3N 3649.61,3196.85 r0 bottom (schematic designator D5)
D5_31 "BAV199" SOT95P240X110-3N 2728.54,3464.57 r0 bottom (schematic designator D5)
D5_32 "BAV199" SOT95P240X110-3N 3641.73,3472.44 r0 bottom (schematic designator D5)
D10 "SMBJ12A" DIOM5336X265N 1959.15,3600.64 r180 top
D11 "SMBJ12A" DIOM5336X265N 1988.68,362.45 r0 top
F1 "160mA-48V" FUSRC3216X100N 1457.19,3689.22 r90 top
F2 "160mA-48V" FUSRC3216X100N 1319.39,3689.22 r90 top
FTG1 "Use only in PCB" FIDUCIAL_TOP_C100-200 303.84,3754.89 r90 bottom
FTG2 "Use only in PCB" FIDUCIAL_TOP_S100-200 5736.22,192.91 r90 top
FTG3 "Use only in PCB" FIDUCIAL_TOP_S200-400 535.43,3224.41 r0 top
FTG4 "Use only in PCB" FIDUCIAL_TOP_S100-200 5688.98,610.24 r180 bottom
HS1 "Heat Sink No Pad" HSINK_ATS_ATS-X50190G-C1-R0 4005.21,718.5 r180 top locked
IC1 "CC6-1212DF-E" CC6-1212DF-E 5270,2570 r90 top
IC2_1 "OPA197ID" SOIC127P600X175-8N 2228.6,550 r180 top (schematic designator IC2)
IC2_2 "OPA197ID" SOIC127P600X175-8N 3204.98,451.57 r180 top (schematic designator IC2)
IC2_3 "OPA197ID" SOIC127P600X175-8N 2228.6,825.59 r180 top (schematic designator IC2)
IC2_4 "OPA197ID" SOIC127P600X175-8N 3204.98,727.17 r180 top (schematic designator IC2)
IC2_5 "OPA197ID" SOIC127P600X175-8N 2228.6,1101.18 r180 top (schematic designator IC2)
IC2_6 "OPA197ID" SOIC127P600X175-8N 3204.98,1002.76 r180 top (schematic designator IC2)
IC2_7 "OPA197ID" SOIC127P600X175-8N 2228.6,1376.77 r180 top (schematic designator IC2)
IC2_8 "OPA197ID" SOIC127P600X175-8N 3204.98,1278.35 r180 top (schematic designator IC2)
IC2_9 "OPA197ID" SOIC127P600X175-8N 4118.37,1288.19 r180 top (schematic designator IC2)
IC2_10 "OPA197ID" SOIC127P600X175-8N 2228.6,1652.36 r180 top (schematic designator IC2)
IC2_11 "OPA197ID" SOIC127P600X175-8N 3204.98,1553.94 r180 top (schematic designator IC2)
IC2_12 "OPA197ID" SOIC127P600X175-8N 4118.37,1563.78 r180 top (schematic designator IC2)
IC2_13 "OPA197ID" SOIC127P600X175-8N 2228.6,1927.95 r180 top (schematic designator IC2)